# Altium PCB Bad-Fox Prototype.PcbDoc (part 6 of 6)
Units mm, origin at the board's own origin, x right, y up, seen from the top; angles counter-clockwise.
Board outline 285 x 218 mm, 4 copper layers (Top Layer, Layer 1, Layer 2, Bottom Layer), stack 1.583 mm thick; 201 components, 119 nets, 7816 pads, 1897 vias.
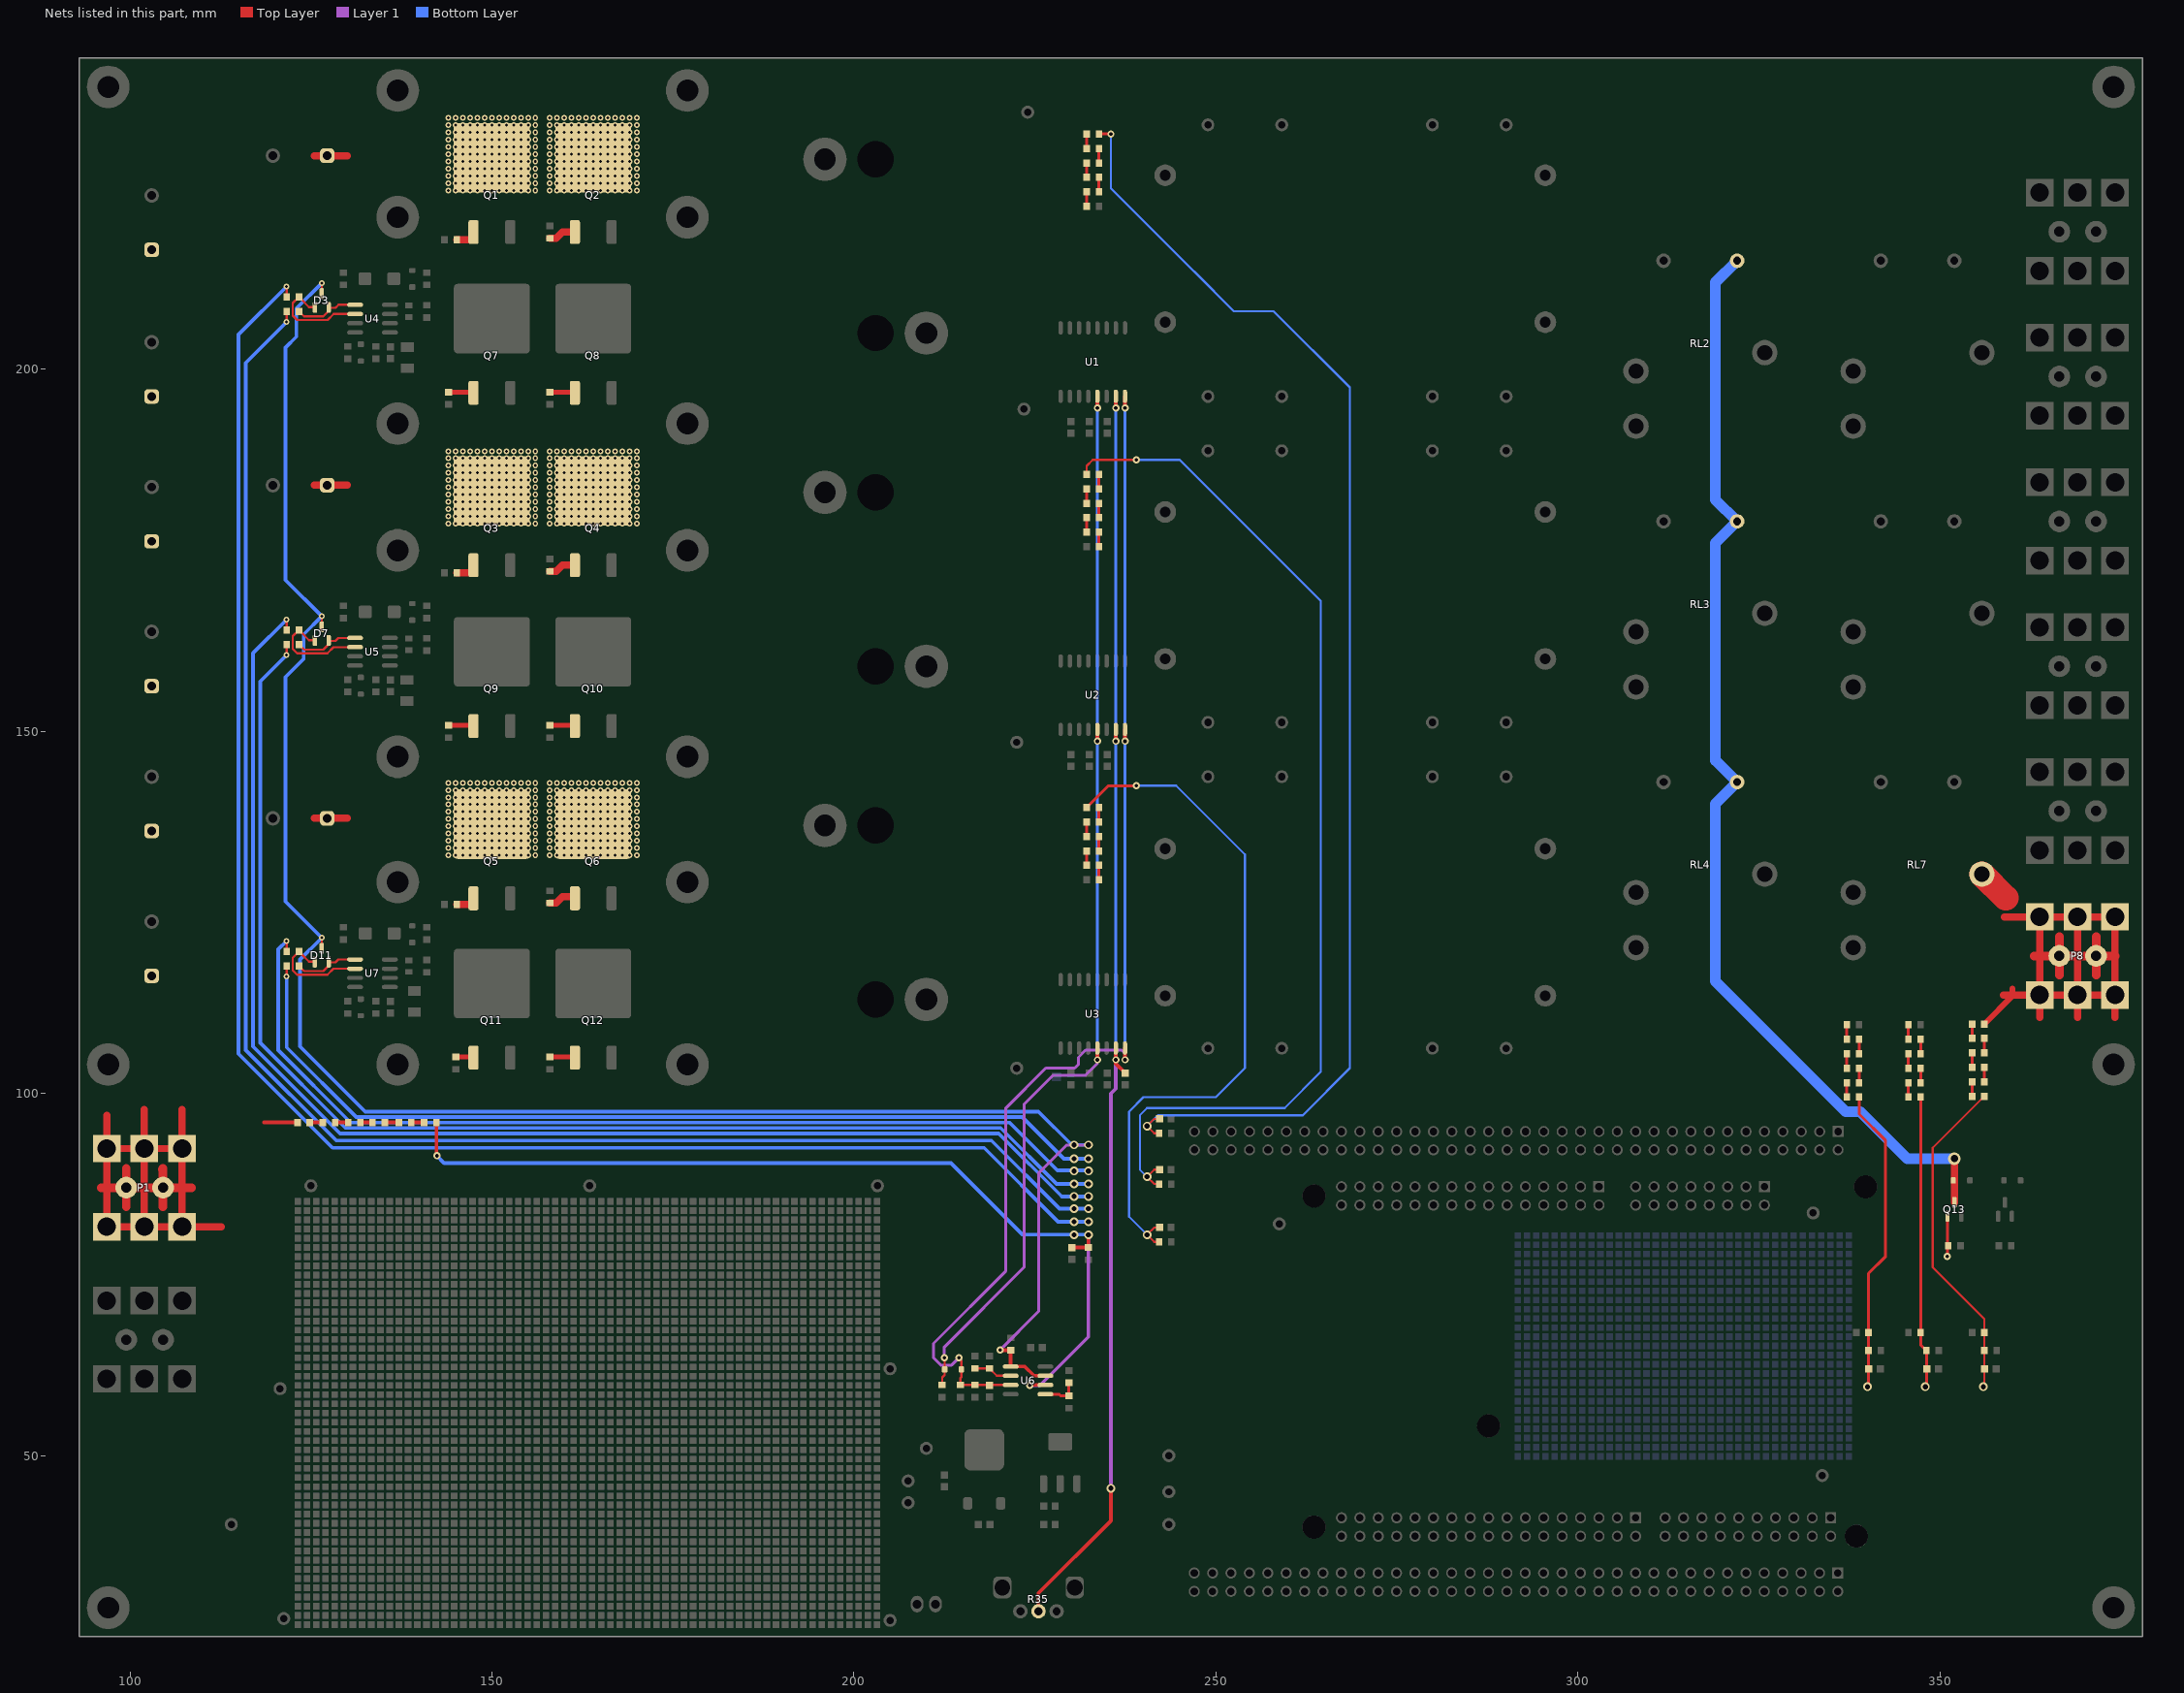
[diagram p8: the nets of this part, all layers, seen from the top]

## Via types
v1: diameter 0.8, hole 0.4, Top Layer to Bottom Layer, 1329 vias
v2: diameter 0.8, hole 0.4, Top Layer to Bottom Layer, tented both sides, 396 vias
v3: diameter 1.2, hole 0.7, Top Layer to Bottom Layer, 93 vias
v4: diameter 1, hole 0.5, Top Layer to Bottom Layer, 40 vias
v5: diameter 1.2, hole 0.7, Top Layer to Bottom Layer, tented both sides, 36 vias
v6: diameter 1.7, hole 1, Top Layer to Bottom Layer, 3 vias

## Nets (pads, with @x,y where several pads share a name; then routed paths per layer and width w, separated by ;. In a path a pad name is that pad's centre, name@x,y a point inside that pad or via, vN(x,y) a via of type N, cw(c..) or ccw(c..) an arc to the next point about the centre after c; other vN are vias at no path point) (continued)
NetP8_1: P8.1 P8.2 P8.3 P8.4 P8.5 P8.6 pad.@366.5,119 pad.@371.58,119 R70.2 RL7.1 | length 105.2
  Top Layer w0.8: R70.2@356.15,109.6 360,113.45 360,114.5
  Top Layer w1: 358.791,113.603 359.476,113.603 P8.4@363.793,113.603 ; 358.914,124.398 P8.3@363.793,124.398 ; 363.793,110.5 P8.4@363.793,113.603 ; 369,110.5 P8.5@369,113.603 ; 374.207,110.5 P8.6@374.207,113.603 ; P8.4@363.793,113.603 P8.3@363.793,124.398 ; P8.4@363.793,113.603 P8.5@369,113.603 ; P8.3@363.793,124.398 P8.2@369,124.398 ; P8.5@369,113.603 P8.2@369,124.398 ; P8.5@369,113.603 P8.6@374.207,113.603 ; P8.2@369,124.398 P8.1@374.207,124.398 P8.6@374.207,113.603
  Top Layer w1.2: 363.031,119 pad.@366.5,119 ; 366.5,116.373 pad.@366.5,119 ; 366.5,121.627 pad.@366.5,119 ; 371.58,116.373 pad.@371.58,119 ; 371.58,121.627 pad.@371.58,119 ; 374.207,119 pad.@371.58,119 ; pad.@366.5,119 369,119 pad.@371.58,119
  Top Layer w3.5: RL7.1@355.81,130.3 359.11,127
NetQ1_1: Q1.1 R1.1 | length 3.2
  Top Layer w1: R1.1@145.15,217.9 147.26,217.9 147.46,218.1 Q1.1@147.46,218.95
NetQ2_1: Q2.1 R2.1 | length 3.8
  Top Layer w1: R2.1@158,218.1 158.9,218.1 159.75,218.95 Q2.1@161.46,218.95
NetQ3_1: Q3.1 R3.1 | length 3.2
  Top Layer w1: R3.1@145.15,171.9 147.26,171.9 147.46,172.1 Q3.1@147.46,172.95
NetQ4_1: Q4.1 R4.1 | length 3.8
  Top Layer w1: R4.1@158,172.1 158.9,172.1 159.75,172.95 Q4.1@161.46,172.95
NetQ5_1: Q5.1 R5.1 | length 3.2
  Top Layer w1: R5.1@145.15,126.1 147.26,126.1 147.46,126.3 Q5.1@147.46,127.15
NetQ6_1: Q6.1 R6.1 | length 3.8
  Top Layer w1: R6.1@158,126.3 158.9,126.3 159.75,127.15 Q6.1@161.46,127.15
NetQ7_1: Q7.1 R8.1 | length 3.4
  Top Layer w0.7: R8.1@144,196.85 Q7.1@147.36,196.85
NetQ8_1: Q8.1 R9.1 | length 3.5
  Top Layer w0.7: R9.1@158,196.85 161.36,196.85 Q8.1@161.46,196.75
NetQ9_1: Q9.1 R10.1 | length 3.4
  Top Layer w0.7: R10.1@144,150.85 Q9.1@147.36,150.85
NetQ10_1: Q10.1 R11.1 | length 3.5
  Top Layer w0.7: R11.1@158,150.85 161.36,150.85 Q10.1@161.46,150.75
NetQ11_1: Q11.1 R12.1 | length 2.4
  Top Layer w0.7: R12.1@145,105.05 Q11.1@147.36,105.05
NetQ12_1: Q12.1 R13.1 | length 3.5
  Top Layer w0.7: R13.1@158,105.05 161.36,105.05 Q12.1@161.46,104.95
NetR14_1: R14.1 R17.2 | length 2.1
  Top Layer w0.4: R17.2@232,224.5 232.15,224.35 R14.1@232.15,222.5
NetR15_1: R15.1 R18.2 | length 2
  Top Layer w0.4: R15.1@233.85,175.5 R18.2@233.85,177.5
NetR16_1: R16.1 R19.2 | length 2
  Top Layer w0.4: R16.1@233.85,129.5 R19.2@233.85,131.5
NetR17_1: R17.1 R23.2 | length 2.1
  Top Layer w0.4: R17.1@233.85,224.5 233.85,226.35 R23.2@234,226.5
NetR18_1: R18.1 R24.2 | length 2
  Top Layer w0.4: R18.1@232.15,177.5 R24.2@232.15,179.5
NetR19_1: R19.1 R25.2 | length 2
  Top Layer w0.4: R19.1@232.15,131.5 R25.2@232.15,133.5
NetR23_1: R23.1 R27.2 | length 2.1
  Top Layer w0.4: R23.1@232,226.5 232.15,226.65 R27.2@232.15,228.5
NetR24_1: R24.1 R28.2 | length 2
  Top Layer w0.4: R24.1@233.85,179.5 R28.2@233.85,181.5
NetR25_1: R25.1 R29.2 | length 2
  Top Layer w0.4: R25.1@233.85,133.5 R29.2@233.85,135.5
NetR27_1: R27.1 R31.2 | length 2
  Top Layer w0.4: R27.1@233.85,228.5 R31.2@233.85,230.5
NetR28_1: R28.1 R32.2 | length 2
  Top Layer w0.4: R28.1@232.15,181.5 R32.2@232.15,183.5
NetR29_1: R29.1 R33.2 | length 2
  Top Layer w0.4: R29.1@232.15,135.5 R33.2@232.15,137.5
NetR31_1: R31.1 R36.2 | length 2
  Top Layer w0.4: R31.1@232.15,230.5 R36.2@232.15,232.5
NetR32_1: R32.1 R37.2 | length 2
  Top Layer w0.4: R32.1@233.85,183.5 R37.2@233.85,185.5
NetR33_1: R33.1 R38.2 | length 2
  Top Layer w0.4: R33.1@233.85,137.5 R38.2@233.85,139.5
NetR51_1: R51.1 R55.2 U6.2 | length 5.4
  Top Layer w0.3: R51.1@216.7,62.05 R55.2@218.7,62.05 219.728,61.022 U6.2@221.656,61.022
NetR62_1: R62.1 R63.2 | length 1.8
  Top Layer w0.5: R62.1@124.85,96 R63.2@126.65,96
NetR63_1: R63.1 R65.2 | length 1.8
  Top Layer w0.5: R63.1@128.35,96 R65.2@130.15,96
NetR64_1: R64.1 R67.2 U6.5 | length 5.1
  Top Layer w0.4: U6.5@226.456,58.482 228.318,58.482 228.55,58.25 R67.2@229.7,58.25 R64.1@229.7,60.05
NetR65_1: R65.1 R66.2 | length 1.8
  Top Layer w0.5: R65.1@131.7,96 R66.2@133.5,96
NetR66_1: R66.1 R71.2 | length 1.8
  Top Layer w0.5: R66.1@135.35,96 R71.2@137.15,96
NetR68_1: R68.1 R72.2 | length 1.9
  Top Layer w0.4: R72.2@337.15,107.65 R68.1@337.15,109.5
NetR69_1: R69.1 R73.2 | length 1.9
  Top Layer w0.4: R73.2@345.65,107.65 R69.1@345.65,109.5
NetR70_1: R70.1 R74.2 | length 1.9
  Top Layer w0.4: R74.2@354.45,107.75 R70.1@354.45,109.6
NetR71_1: R71.1 R77.2 | length 1.8
  Top Layer w0.5: R71.1@138.85,96 R77.2@140.65,96
NetR72_1: R72.1 R78.2 | length 1.8
  Top Layer w0.4: R78.2@338.85,105.65 R72.1@338.85,107.5
NetR73_1: R73.1 R79.2 | length 1.8
  Top Layer w0.4: R79.2@347.35,105.65 R73.1@347.35,107.5
NetR74_1: R74.1 R80.2 | length 1.8
  Top Layer w0.4: R80.2@356.15,105.75 R74.1@356.15,107.6
NetR78_1: R78.1 R81.2 | length 1.9
  Top Layer w0.4: R81.2@337.15,103.5 R78.1@337.15,105.35
NetR79_1: R79.1 R82.2 | length 1.9
  Top Layer w0.4: R82.2@345.65,103.5 R79.1@345.65,105.35
NetR80_1: R80.1 R83.2 | length 1.9
  Top Layer w0.4: R83.2@354.45,103.6 R80.1@354.45,105.45
NetR81_1: R81.1 R85.2 | length 2
  Top Layer w0.4: R85.2@338.85,101.5 R81.1@338.85,103.5
NetR82_1: R82.1 R86.2 | length 2
  Top Layer w0.4: R86.2@347.35,101.5 R82.1@347.35,103.5
NetR83_1: R83.1 R87.2 | length 2
  Top Layer w0.4: R87.2@356.15,101.6 R83.1@356.15,103.6
NetR85_1: R85.1 R88.2 | length 2
  Top Layer w0.4: R88.2@337.15,99.5 R85.1@337.15,101.5
NetR86_1: R86.1 R89.2 | length 2
  Top Layer w0.4: R89.2@345.65,99.5 R86.1@345.65,101.5
NetR87_1: R87.1 R90.2 | length 2
  Top Layer w0.4: R90.2@354.45,99.6 R87.1@354.45,101.6
OCDext: D12.1 R48.1 U1.13 U2.13 U3.13 | length 151.3
  Top Layer w0.3: R48.1@212.2,59.75 212.2,60.8 212.55,61.15 D12.1@212.55,61.9 212.55,63.45 v4(212.5,63.5)
  Top Layer w0.5: v4(233.64,104.65) U3.13@233.64,106.27 ; v4(233.64,148.65) U2.13@233.64,150.27 ; v4(233.64,194.65) U1.13@233.64,196.27
  Layer 1 w0.4: v4(212.5,63.5) 212.5,65 223.5,76 223.5,98.5 227.5,102.5 232,102.5 233.64,104.14 v4(233.64,104.65)
  Bottom Layer w0.4: v4(233.64,104.65) v4(233.64,148.65) v4(233.64,194.65)
OCDint: C42.1 D12.2 R47.1 R59.1 U1.16 U2.16 U3.16 U6.3 | length 170.2
  Top Layer w0.3: v4(214.5,63.5) 214.85,63.15 D12.2@214.85,61.9 214.85,60.85 214.7,60.7 R47.1@214.7,59.75 R47.1@214.7,59.75 U6.3@221.656,59.752
  Top Layer w0.5: U3.16@237.445,106.275 237.45,106.27 v4(237.45,104.65) ; U2.16@237.445,150.275 237.45,150.27 v4(237.45,148.65) ; U1.16@237.445,196.275 237.45,196.27 v4(237.45,194.65)
  Layer 1 w0.4: v4(214.5,63.5) 213.5,62.5 212,62.5 211,63.5 211,65.5 221,75.5 221,98 226.5,103.5 230.5,103.5 231,104 231,105 232,106 237,106 237.45,105.55 v4(237.45,104.65)
  Bottom Layer w0.4: v4(237.45,104.65) v4(237.45,148.65) v4(237.45,194.65)
OP_Relay_Ctl: Q13.1 R75.2 | length 5.6
  Top Layer w0.4: v4(351,77.5) 351.05,77.55 Q13.1@351.05,83.05
OP_Relay_Drive: D14.2 Q13.3 RL2.4 RL3.4 RL4.4 | length 154.9
  Top Layer w1: Q13.3@352,84.95 v6(352,91)
  Bottom Layer w1.5: RL2.4@322,215 319,212 319,182 RL3.4@322,179 319,176 319,146 RL4.4@322,143 319,140 319,115.5 337,97.5 339,97.5 345.5,91 v6(352,91)
PWM_EN: D3.3 D7.3 D11.3 R58.1 U6.1 U6.7 | length 278
  Top Layer w0.3: D11.3@126.5,120.05 v1(126.5,121.5) ; D7.3@126.5,164.45 v1(126.5,165.9) ; D3.3@126.5,210.45 v1(126.5,211.9)
  Top Layer w0.5: v4(220.2,64.6) 220.25,64.55 R58.1@221.7,64.55 221.656,64.506 U6.1@221.656,62.292 223.608,62.292 224.878,61.022 U6.7@226.456,61.022
  Layer 1 w0.4: v4(220.2,64.6) 225.5,69.9 225.5,89 229.4,92.9 v3(232.4,92.9)
  Bottom Layer w0.5: v1(126.5,211.9) 123,208.4 123,204.5 121.5,203 121.5,170.9 v1(126.5,165.9) 124,163.4 124,160 121.5,157.5 121.5,126.5 v1(126.5,121.5) 123.5,118.5 123.5,106.5 132.5,97.5 225.5,97.5 230.1,92.9 v3(232.4,92.9)
  other v3: 230.4,92.9
U_DRV_EN_H: D3.2 R21.2 U4.1 | length 9.1
  Top Layer w0.3: R21.2@123.35,208 123.35,207.95 123.65,207.65 123.7,207.65 124.05,207.3 126.7,207.3 127.3,207.9 127.3,208.4 D3.2@127.45,208.55 127.5,208.5 128.4,208.5 128.805,208.905 U4.1@131.116,208.905
U_DRV_H: R21.1 | length 229.8
  Top Layer w0.3: v1(121.65,206.55) R21.1@121.65,208
  Bottom Layer w0.5: v1(121.65,206.55) 116,200.9 116,106 128.5,93.5 219,93.5 228.4,84.1 v3(230.4,84.1) v3(232.4,84.1)
U_DRV_L: R22.1 | length 237.2
  Top Layer w0.3: R22.1@121.65,210 v1(121.65,211.45)
  Bottom Layer w0.5: v1(121.65,211.45) 115,204.8 115,105.5 128,92.5 218,92.5 228.2,82.3 v3(230.4,82.3) v3(232.4,82.3)
U_DRVE_EN_L: D3.1 R22.2 U4.2 | length 15
  Top Layer w0.3: R22.2@123.35,210.05 R22.2@123.35,210 ; D3.1@125.55,208.55 125.5,208.6 124.75,208.6 123.7,209.65 123.65,209.65 123.35,209.95 R22.2@123.35,210 ; U4.2@131.116,207.635 128.135,207.635 127.3,206.8 123.1,206.8 122.5,207.4 122.5,209.15 R22.2@123.35,210
V_DRV_EN_H: D7.2 R44.2 U5.1 | length 9.1
  Top Layer w0.3: R44.2@123.35,162 123.35,161.95 123.65,161.65 123.7,161.65 124.05,161.3 126.7,161.3 127.3,161.9 127.3,162.4 D7.2@127.45,162.55 D7.2@127.5,162.5 ; D7.2@127.484,162.5 128.384,162.5 128.789,162.905 U5.1@131.1,162.905
V_DRV_EN_L: D7.1 R45.2 U5.2 | length 15
  Top Layer w0.3: R45.2@123.334,164 122.484,163.15 122.484,161.4 123.084,160.8 127.284,160.8 128.119,161.635 U5.2@131.1,161.635 ; R45.2@123.35,164.05 123.35,163.95 123.65,163.65 123.7,163.65 124.75,162.6 125.5,162.6 D7.1@125.55,162.55
V_DRV_H: R44.1 | length 179
  Top Layer w0.3: v1(121.65,160.55) R44.1@121.65,162
  Bottom Layer w0.5: v1(121.65,160.55) 118,156.9 118,107 129.762,95.238 220.262,95.238 228,87.5 v3(232.4,87.5)
  other v3: 230.4,87.5
V_DRV_L: R45.1 | length 186.2
  Top Layer w0.3: R45.1@121.65,164 v1(121.65,165.45)
  Bottom Layer w0.5: v1(121.65,165.45) 117,160.8 117,106.5 129.016,94.484 220,94.484 ; 220.016,94.484 228.7,85.8 ; 228.7,85.784 v3@232.337,85.784
  other v3: 230.4,85.8 232.4,85.8
Vbus: C2.1 C3.1 C4.1 C5.1 C6.1 C7.1 C52.1 C53.1 C54.1 P1.1 P1.2 P1.3 P1.4 P1.5 P1.6 pad.@99.5,87 pad.@104.58,87 Q1.4 Q2.4 Q3.4 Q4.4 Q5.4 Q6.4 R62.2 | length 115.2
  Top Layer w0.5: 118.5,96 R62.2@123.15,96
  Top Layer w1: 96.793,97 P1.6@96.793,92.398 ; 102,97.795 P1.5@102,92.398 ; 107.207,97.795 P1.4@107.207,92.398 ; P1.3@107.216,81.565 112.613,81.565 ; 125.5,138 C6.1@127.25,138 130,138 ; 125.5,184 C4.1@127.25,184 130,184 ; 125.5,229.5 C2.1@127.25,229.5 130,229.5 ; P1.6@96.793,92.398 96.793,87 P1.1@96.793,81.603 P1.2@102,81.603 ; P1.6@96.793,92.398 P1.5@102,92.398 ; P1.2@102,81.603 102,87 P1.5@102,92.398 ; P1.2@102,81.603 P1.3@107.207,81.603 107.207,87 P1.4@107.207,92.398 ; P1.5@102,92.398 P1.4@107.207,92.398
  Top Layer w1.2: 96.031,87 96.793,87 pad.@99.5,87 ; 99.5,84.373 pad.@99.5,87 ; 99.5,89.627 pad.@99.5,87 ; 104.5,89.5 104.58,89.42 ; 104.58,84.373 pad.@104.58,87 ; 104.58,89.627 104.58,89.42 ; 108.5,87 107.207,87 pad.@104.58,87 ; pad.@99.5,87 102,87 pad.@104.58,87 ; pad.@104.58,87 104.58,89.42
  other v1: 145,132.9 146,132.9 147,132.9 148,132.9 149,132.9 150,132.9 151,132.9 152,132.9 153,132.9 154,132.9 155,132.9 159,132.9 160,132.9 161,132.9 162,132.9 163,132.9 164,132.9 165,132.9 166,132.9 167,132.9 168,132.9 169,132.9 145,133.9 146,133.9 147,133.9 148,133.9 149,133.9 150,133.9 151,133.9 152,133.9 153,133.9 154,133.9 155,133.9 159,133.9 160,133.9 161,133.9 162,133.9 163,133.9 164,133.9 165,133.9 166,133.9 167,133.9 168,133.9 169,133.9 145,134.9 146,134.9 147,134.9 148,134.9 149,134.9 150,134.9 151,134.9 152,134.9 153,134.9 154,134.9 155,134.9 159,134.9 160,134.9 161,134.9 162,134.9 163,134.9 164,134.9 165,134.9 166,134.9 167,134.9 168,134.9 169,134.9 145,135.9 146,135.9 147,135.9 148,135.9 149,135.9 150,135.9 151,135.9 152,135.9 153,135.9 154,135.9 155,135.9 159,135.9 160,135.9 161,135.9 162,135.9 163,135.9 164,135.9 165,135.9 166,135.9 167,135.9 168,135.9 169,135.9 145,136.9 146,136.9 147,136.9 148,136.9 149,136.9 150,136.9 151,136.9 152,136.9 153,136.9 154,136.9 155,136.9 159,136.9 160,136.9 161,136.9 162,136.9 163,136.9 164,136.9 165,136.9 166,136.9 167,136.9 168,136.9 169,136.9 145,137.9 146,137.9 147,137.9 148,137.9 149,137.9 150,137.9 151,137.9 152,137.9 153,137.9 154,137.9 155,137.9 159,137.9 160,137.9 161,137.9 162,137.9 163,137.9 164,137.9 165,137.9 166,137.9 167,137.9 168,137.9 169,137.9 145,138.9 146,138.9 147,138.9 148,138.9 149,138.9 150,138.9 151,138.9 152,138.9 153,138.9 154,138.9 155,138.9 159,138.9 160,138.9 161,138.9 162,138.9 163,138.9 164,138.9 165,138.9 166,138.9 167,138.9 168,138.9 169,138.9 145,139.9 146,139.9 147,139.9 148,139.9 149,139.9 150,139.9 151,139.9 152,139.9 153,139.9 154,139.9 155,139.9 159,139.9 160,139.9 161,139.9 162,139.9 163,139.9 164,139.9 165,139.9 166,139.9 167,139.9 168,139.9 169,139.9 145,140.9 146,140.9 147,140.9 148,140.9 149,140.9 150,140.9 151,140.9 152,140.9 153,140.9 154,140.9 155,140.9 159,140.9 160,140.9 161,140.9 162,140.9 163,140.9 164,140.9 165,140.9 166,140.9 167,140.9 168,140.9 169,140.9 145,141.9 146,141.9 147,141.9 148,141.9 149,141.9 150,141.9 151,141.9 152,141.9 153,141.9 154,141.9 155,141.9 159,141.9 160,141.9 161,141.9 162,141.9 163,141.9 164,141.9 165,141.9 166,141.9 167,141.9 168,141.9 169,141.9 145,178.7 146,178.7 147,178.7 148,178.7 149,178.7 150,178.7 151,178.7 152,178.7 153,178.7 154,178.7 155,178.7 159,178.7 160,178.7 161,178.7 162,178.7 163,178.7 164,178.7 165,178.7 166,178.7 167,178.7 168,178.7 169,178.7 145,179.7 146,179.7 147,179.7 148,179.7 149,179.7 150,179.7 151,179.7 152,179.7 153,179.7 154,179.7 155,179.7 159,179.7 160,179.7 161,179.7 162,179.7 163,179.7 164,179.7 165,179.7 166,179.7 167,179.7 168,179.7 169,179.7 145,180.7 146,180.7 147,180.7 148,180.7 149,180.7 150,180.7 151,180.7 152,180.7 153,180.7 154,180.7 155,180.7 159,180.7 160,180.7 161,180.7 162,180.7 163,180.7 164,180.7 165,180.7 166,180.7 167,180.7 168,180.7 169,180.7 145,181.7 146,181.7 147,181.7 148,181.7 149,181.7 150,181.7 151,181.7 152,181.7 153,181.7 154,181.7 155,181.7 159,181.7 160,181.7 161,181.7 162,181.7 163,181.7 164,181.7 165,181.7 166,181.7 167,181.7 168,181.7 169,181.7 145,182.7 146,182.7 147,182.7 148,182.7 149,182.7 150,182.7 151,182.7 152,182.7 153,182.7 154,182.7 155,182.7 159,182.7 160,182.7 161,182.7 162,182.7 163,182.7 164,182.7 165,182.7 166,182.7 167,182.7 168,182.7 169,182.7 145,183.7 146,183.7 147,183.7 148,183.7 149,183.7 150,183.7 151,183.7 152,183.7 153,183.7 154,183.7 155,183.7 159,183.7 160,183.7 161,183.7 162,183.7 163,183.7 164,183.7 165,183.7 166,183.7 167,183.7 168,183.7 169,183.7 145,184.7 146,184.7 147,184.7 148,184.7 149,184.7 150,184.7 151,184.7 152,184.7 153,184.7 154,184.7 155,184.7 159,184.7 160,184.7 161,184.7 162,184.7 163,184.7 164,184.7 165,184.7 166,184.7 167,184.7 168,184.7 169,184.7 145,185.7 146,185.7 147,185.7 148,185.7 149,185.7 150,185.7 151,185.7 152,185.7 153,185.7 154,185.7 155,185.7 159,185.7 160,185.7 161,185.7 162,185.7 163,185.7 164,185.7 165,185.7 166,185.7 167,185.7 168,185.7 169,185.7 145,186.7 146,186.7 147,186.7 148,186.7 149,186.7 150,186.7 151,186.7 152,186.7 153,186.7 154,186.7 155,186.7 159,186.7 160,186.7 161,186.7 162,186.7 163,186.7 164,186.7 165,186.7 166,186.7 167,186.7 168,186.7 169,186.7 145,187.7 146,187.7 147,187.7 148,187.7 149,187.7 150,187.7 151,187.7 152,187.7 153,187.7 154,187.7 155,187.7 159,187.7 160,187.7 161,187.7 162,187.7 163,187.7 164,187.7 165,187.7 166,187.7 167,187.7 168,187.7 169,187.7 145,224.7 146,224.7 147,224.7 148,224.7 149,224.7 150,224.7 151,224.7 152,224.7 153,224.7 154,224.7 155,224.7 159,224.7 160,224.7 161,224.7 162,224.7 163,224.7 164,224.7 165,224.7 166,224.7 167,224.7 168,224.7 169,224.7 145,225.7 146,225.7 147,225.7 148,225.7 149,225.7 150,225.7 151,225.7 152,225.7 153,225.7 154,225.7 155,225.7 159,225.7 160,225.7 161,225.7 162,225.7 163,225.7 164,225.7 165,225.7 166,225.7 167,225.7 168,225.7 169,225.7 145,226.7 146,226.7 147,226.7 148,226.7 149,226.7 150,226.7 151,226.7 152,226.7 153,226.7 154,226.7 155,226.7 159,226.7 160,226.7 161,226.7 162,226.7 163,226.7 164,226.7 165,226.7 166,226.7 167,226.7 168,226.7 169,226.7 145,227.7 146,227.7 147,227.7 148,227.7 149,227.7 150,227.7 151,227.7 152,227.7 153,227.7 154,227.7 155,227.7 159,227.7 160,227.7 161,227.7 162,227.7 163,227.7 164,227.7 165,227.7 166,227.7 167,227.7 168,227.7 169,227.7 145,228.7 146,228.7 147,228.7 148,228.7 149,228.7 150,228.7 151,228.7 152,228.7 153,228.7 154,228.7 155,228.7 159,228.7 160,228.7 161,228.7 162,228.7 163,228.7 164,228.7 165,228.7 166,228.7 167,228.7 168,228.7 169,228.7 145,229.7 146,229.7 147,229.7 148,229.7 149,229.7 150,229.7 151,229.7 152,229.7 153,229.7 154,229.7 155,229.7 159,229.7 160,229.7 161,229.7 162,229.7 163,229.7 164,229.7 165,229.7 166,229.7 167,229.7 168,229.7 169,229.7 145,230.7 146,230.7 147,230.7 148,230.7 149,230.7 150,230.7 151,230.7 152,230.7 153,230.7 154,230.7 155,230.7 159,230.7 160,230.7 161,230.7 162,230.7 163,230.7 164,230.7 165,230.7 166,230.7 167,230.7 168,230.7 169,230.7 145,231.7 146,231.7 147,231.7 148,231.7 149,231.7 150,231.7 151,231.7 152,231.7 153,231.7 154,231.7 155,231.7 159,231.7 160,231.7 161,231.7 162,231.7 163,231.7 164,231.7 165,231.7 166,231.7 167,231.7 168,231.7 169,231.7 145,232.7 146,232.7 147,232.7 148,232.7 149,232.7 150,232.7 151,232.7 152,232.7 153,232.7 154,232.7 155,232.7 159,232.7 160,232.7 161,232.7 162,232.7 163,232.7 164,232.7 165,232.7 166,232.7 167,232.7 168,232.7 169,232.7 145,233.7 146,233.7 147,233.7 148,233.7 149,233.7 150,233.7 151,233.7 152,233.7 153,233.7 154,233.7 155,233.7 159,233.7 160,233.7 161,233.7 162,233.7 163,233.7 164,233.7 165,233.7 166,233.7 167,233.7 168,233.7 169,233.7
  other v2: 144,132.9 156,132.9 158,132.9 170,132.9 144,133.9 156,133.9 158,133.9 170,133.9 144,134.9 156,134.9 158,134.9 170,134.9 144,135.9 156,135.9 158,135.9 170,135.9 144,136.9 156,136.9 158,136.9 170,136.9 144,137.9 156,137.9 158,137.9 170,137.9 144,138.9 156,138.9 158,138.9 170,138.9 144,139.9 156,139.9 158,139.9 170,139.9 144,140.9 156,140.9 158,140.9 170,140.9 144,141.9 156,141.9 158,141.9 170,141.9 144,142.9 145,142.9 146,142.9 147,142.9 148,142.9 149,142.9 150,142.9 151,142.9 152,142.9 153,142.9 154,142.9 155,142.9 156,142.9 158,142.9 159,142.9 160,142.9 161,142.9 162,142.9 163,142.9 164,142.9 165,142.9 166,142.9 167,142.9 168,142.9 169,142.9 170,142.9 144,178.7 156,178.7 158,178.7 170,178.7 144,179.7 156,179.7 158,179.7 170,179.7 144,180.7 156,180.7 158,180.7 170,180.7 144,181.7 156,181.7 158,181.7 170,181.7 144,182.7 156,182.7 158,182.7 170,182.7 144,183.7 156,183.7 158,183.7 170,183.7 144,184.7 156,184.7 158,184.7 170,184.7 144,185.7 156,185.7 158,185.7 170,185.7 144,186.7 156,186.7 158,186.7 170,186.7 144,187.7 156,187.7 158,187.7 170,187.7 144,188.7 145,188.7 146,188.7 147,188.7 148,188.7 149,188.7 150,188.7 151,188.7 152,188.7 153,188.7 154,188.7 155,188.7 156,188.7 158,188.7 159,188.7 160,188.7 161,188.7 162,188.7 163,188.7 164,188.7 165,188.7 166,188.7 167,188.7 168,188.7 169,188.7 170,188.7 144,224.7 156,224.7 158,224.7 170,224.7 144,225.7 156,225.7 158,225.7 170,225.7 144,226.7 156,226.7 158,226.7 170,226.7 144,227.7 156,227.7 158,227.7 170,227.7 144,228.7 156,228.7 158,228.7 170,228.7 144,229.7 156,229.7 158,229.7 170,229.7 144,230.7 156,230.7 158,230.7 170,230.7 144,231.7 156,231.7 158,231.7 170,231.7 144,232.7 156,232.7 158,232.7 170,232.7 144,233.7 156,233.7 158,233.7 170,233.7 144,234.7 145,234.7 146,234.7 147,234.7 148,234.7 149,234.7 150,234.7 151,234.7 152,234.7 153,234.7 154,234.7 155,234.7 156,234.7 158,234.7 159,234.7 160,234.7 161,234.7 162,234.7 163,234.7 164,234.7 165,234.7 166,234.7 167,234.7 168,234.7 169,234.7 170,234.7
VOCext: C26.1 R35.2 U1.15 U2.15 U3.15 | length 177.8
  Top Layer w0.5: R35.2@225.5,28.5 225.5,31 235.5,41 v3(235.5,45.5) ; U3.15@236.18,106.27 v4(236.18,104.65) 236.18,104.12 C26.1@237.5,102.8 ; v4(236.18,148.65) U2.15@236.18,150.27 ; v4(236.18,194.65) U1.15@236.18,196.27
  Layer 1 w0.5: v3(235.5,45.5) 235.5,100 236.18,100.68 v4(236.18,104.65)
  Bottom Layer w0.4: v4(236.18,104.65) v4(236.18,148.65) v4(236.18,194.65)
Vsense_Bus: C43.1 R77.1 R84.2 U6.6 | length 130.4
  Top Layer w0.5: R77.1@142.35,96 142.35,91.45 v4(142.4,91.4) ; v4(224.3,59.7) 224.352,59.752 U6.6@226.456,59.752 ; C43.1@230.1,78.7 230.15,78.75 R84.2@232.4,78.75 v3(232.4,80.5)
  Layer 1 w0.5: v4(224.3,59.7) 225.7,59.7 232.4,66.4 v3(232.4,80.5)
  Bottom Layer w0.5: v4(142.4,91.4) 143.4,90.4 213.4,90.4 223.3,80.5 v3(232.4,80.5)
  other v3: 230.4,80.5
Vsense_In_U: C45.1 R88.1 R91.2 R94.1 | length 42.5
  Top Layer w0.4: R88.1@338.85,99.5 338.85,97.15 342.5,93.5 342.5,77.5 340.15,75.15 R94.1@340.15,67 R91.2@340.15,64.5 340.15,62 340.15,59.65 v3(340,59.5)
Vsense_In_V: C46.1 R89.1 R92.2 R95.1 | length 40.4
  Top Layer w0.4: R89.1@347.35,99.5 R95.1@347.35,67 347.35,65.3 R92.2@348.15,64.5 348.15,62 348.15,59.65 v3(348,59.5)
Vsense_In_W: C47.1 R90.1 R93.2 R96.1 | length 46.1
  Top Layer w0.3: v3(356,59.5) 356.15,59.65 R93.2@356.15,64.5 356.15,68.85 349,76 349,92.5 356.1,99.6 R90.1@356.15,99.6
Vsense_U: C30.1 R36.1 R40.2 | length 190.8
  Top Layer w0.3: R40.2@242.15,94.5 241.5,94.5 v3(240.5,95.5) 241.5,96.5 C30.1@242.2,96.5
  Top Layer w0.4: R36.1@233.85,232.5 v4(235.5,232.5)
  Bottom Layer w0.3: v4(235.5,232.5) 235.5,225 252.5,208 ; v3(240.5,95.5) 242,97 262,97 268.5,103.5 268.5,197.5 258,208 252.5,208 ; 247,213.5 252.5,208
Vsense_V: C31.1 R37.1 R41.2 | length 147.5
  Top Layer w0.3: R37.1@232.15,185.5 232.15,186.65 233,187.5 v4(239,187.5) ; R41.2@242.15,87.5 241.5,87.5 v3(240.5,88.5) 241.5,89.5 C31.1@242.2,89.5
  Bottom Layer w0.3: v4(239,187.5) 245,187.5 264.5,168 264.5,103 259.5,98 240.5,98 239.5,97 239.5,89.5 v3(240.5,88.5)
Vsense_W: C32.1 R38.1 R42.2 | length 97.2
  Top Layer w0.3: R42.2@242.15,79.5 241.5,79.5 v3(240.5,80.5) 241.5,81.5 C32.1@242.2,81.5
  Top Layer w0.4: R38.1@232.15,139.5 235.15,142.5 v4(239,142.5)
  Bottom Layer w0.3: v4(239,142.5) 244.5,142.5 254,133 254,103.5 250,99.5 240,99.5 238,97.5 238,83 v3(240.5,80.5)
W_DRV_EN_H: D11.2 R54.2 U7.1 | length 9.1
  Top Layer w0.3: R54.2@123.35,117.6 123.35,117.55 123.65,117.25 123.7,117.25 124.05,116.9 126.7,116.9 127.3,117.5 127.3,118 D11.2@127.45,118.15 D11.2@127.5,118.1 ; D11.2@127.484,118.1 128.384,118.1 128.789,118.505 U7.1@131.1,118.505
W_DRV_EN_L: D11.1 R56.2 U7.2 | length 15
  Top Layer w0.3: R56.2@123.334,119.6 122.484,118.75 122.484,117 123.084,116.4 127.284,116.4 128.119,117.235 U7.2@131.1,117.235 ; R56.2@123.35,119.65 123.35,119.55 123.65,119.25 123.7,119.25 124.75,118.2 125.5,118.2 D11.1@125.55,118.15
W_DRV_H: R54.1 | length 128.4
  Top Layer w0.3: v1(121.65,116.15) R54.1@121.65,117.6
  Bottom Layer w0.5: v1(121.65,116.15) 121.65,106.35 131.254,96.746 223.254,96.746 229,91 v3(232.4,91)
  other v3: 230.4,91
W_DRV_L: R56.1 | length 135.9
  Top Layer w0.3: R56.1@121.65,119.6 v1(121.65,121.05)
  Bottom Layer w0.5: v1(121.65,121.05) 120.5,119.9 120.5,106 130.508,95.992 221.508,95.992 228.1,89.4 232.4,89.4 v3(232.4,89.3)
  other v3: 230.4,89.3
pads on no net: L1. L2. L3. R35. RL2.3 RL3.3 RL4.3 RL5.3 RL6.3 RL7.3 U1.11 U2.11 U3.11 U8. U8.CN7_1 U8.CN7_2 U8.CN7_3 U8.CN7_4 U8.CN7_5 U8.CN7_6 U8.CN7_7 U8.CN7_8 U8.CN7_9 U8.CN7_10 U8.CN7_11 U8.CN7_12 U8.CN7_13 U8.CN7_14 U8.CN7_15 U8.CN7_16 U8.CN7_17 U8.CN7_18 U8.CN7_19 U8.CN7_20 U8.CN8_1 U8.CN8_2 U8.CN8_3 U8.CN8_4 U8.CN8_5 U8.CN8_6 U8.CN8_7 U8.CN8_8 U8.CN8_9 U8.CN8_10 U8.CN8_11 U8.CN8_12 U8.CN8_13 U8.CN8_14 U8.CN8_15 U8.CN8_16 U8.CN9_1 U8.CN9_2 U8.CN9_3 U8.CN9_4 U8.CN9_5 U8.CN9_6 U8.CN9_7 U8.CN9_8 U8.CN9_9 U8.CN9_10 U8.CN9_11 U8.CN9_12 U8.CN9_13 U8.CN9_14 U8.CN9_15 U8.CN9_16 U8.CN9_17 U8.CN9_18 U8.CN9_19 U8.CN9_20 U8.CN9_21 U8.CN9_22 U8.CN9_23 U8.CN9_24 U8.CN9_25 U8.CN9_26 U8.CN9_27 U8.CN9_28 U8.CN9_29 U8.CN9_30 U8.CN10_1 U8.CN10_2 U8.CN10_3 U8.CN10_4 U8.CN10_5 U8.CN10_6 U8.CN10_7 U8.CN10_8 U8.CN10_9 U8.CN10_10 U8.CN10_11 U8.CN10_12 U8.CN10_13 U8.CN10_14 U8.CN10_15 U8.CN10_16 U8.CN10_17 U8.CN10_18 U8.CN10_19 U8.CN10_20 U8.CN10_21 U8.CN10_22 U8.CN10_23 U8.CN10_24 U8.CN10_25 U8.CN10_26 U8.CN10_27 U8.CN10_28 U8.CN10_29 U8.CN10_30 U8.CN10_31 U8.CN10_32 U8.CN10_33 U8.CN10_34 U8.CN11_1 U8.CN11_2 U8.CN11_3 U8.CN11_4 U8.CN11_5 U8.CN11_6 U8.CN11_7 U8.CN11_8 U8.CN11_9 U8.CN11_10 U8.CN11_11 U8.CN11_12 U8.CN11_13 U8.CN11_14 U8.CN11_15 U8.CN11_16 U8.CN11_17 U8.CN11_18 U8.CN11_19 U8.CN11_20 U8.CN11_21 U8.CN11_22 U8.CN11_23 U8.CN11_24 U8.CN11_25 U8.CN11_26 U8.CN11_27 U8.CN11_28 U8.CN11_29 U8.CN11_30 U8.CN11_31 U8.CN11_32 U8.CN11_33 U8.CN11_34 U8.CN11_35 U8.CN11_36 U8.CN11_37 U8.CN11_38 U8.CN11_39 U8.CN11_40 U8.CN11_41 U8.CN11_42 U8.CN11_43 U8.CN11_44 U8.CN11_45 U8.CN11_46 U8.CN11_47 U8.CN11_48 U8.CN11_49 U8.CN11_50 U8.CN11_51 U8.CN11_52 U8.CN11_53 U8.CN11_54 U8.CN11_55 U8.CN11_56 U8.CN11_57 U8.CN11_58 U8.CN11_59 U8.CN11_60 U8.CN11_61 U8.CN11_62 U8.CN11_63 U8.CN11_64 U8.CN11_65 U8.CN11_66 U8.CN11_67 U8.CN11_68 U8.CN11_69 U8.CN11_70 U8.CN11_71 U8.CN11_72 U8.CN12_1 U8.CN12_2 U8.CN12_3 U8.CN12_4 U8.CN12_5 U8.CN12_6 U8.CN12_7 U8.CN12_8 U8.CN12_9 U8.CN12_10 U8.CN12_11 U8.CN12_12 U8.CN12_13 U8.CN12_14 U8.CN12_15 U8.CN12_16 U8.CN12_17 U8.CN12_18 U8.CN12_19 U8.CN12_20 U8.CN12_21 U8.CN12_22 U8.CN12_23 U8.CN12_24 U8.CN12_25 U8.CN12_26 U8.CN12_27 U8.CN12_28 U8.CN12_29 U8.CN12_30 U8.CN12_31 U8.CN12_32 U8.CN12_33 U8.CN12_34 U8.CN12_35 U8.CN12_36 U8.CN12_37 U8.CN12_38 U8.CN12_39 U8.CN12_40 U8.CN12_41 U8.CN12_42 U8.CN12_43 U8.CN12_44 U8.CN12_45 U8.CN12_46 U8.CN12_47 U8.CN12_48 U8.CN12_49 U8.CN12_50 U8.CN12_51 U8.CN12_52 U8.CN12_53 U8.CN12_54 U8.CN12_55 U8.CN12_56 U8.CN12_57 U8.CN12_58 U8.CN12_59 U8.CN12_60 U8.CN12_61 U8.CN12_62 U8.CN12_63 U8.CN12_64 U8.CN12_65 U8.CN12_66 U8.CN12_67 U8.CN12_68 U8.CN12_69 U8.CN12_70 U8.CN12_71 U8.CN12_72 U10.4
copper on no net:
  other v3: 205,38.5 205,40.5 205,42.5 205,44.5 120.5,45 120.5,47 120.5,49 120.5,51 205,53 205,55 205,57 205,59 205,70 120.5,71 205,72 120.5,73 205,74 120.5,75 205,76 120.5,77 205,78 205,80 205,82 205,84 132,87 134,87 136,87 138,87 150,87 152,87 154,87 156,87 170,87 172,87 174,87 176,87 191.5,87 193.5,87 195.5,87 197.5,87

## Polygon pours and split planes (outlines as drawn)
GND on Top Layer "GND_L01_P101" (solid, pour order 101): 139.4,199.1 139.4,202.3 133,202.3 133,199.1
GND on Top Layer "NoRelief" (solid, pour order 89): 168.1,106.6 165.1,106.6 165.1,103.3 168.1,103.3
GND on Top Layer "NoRelief" (solid, pour order 88): 154.1,106.6 151.1,106.6 151.1,103.3 154.1,103.3
GND on Top Layer "NoRelief" (solid, pour order 87): 168.1,198.4 165.1,198.4 165.1,195.1 168.1,195.1
GND on Top Layer "NoRelief" (solid, pour order 86): 154.1,198.4 151.1,198.4 151.1,195.1 154.1,195.1
Vbus on Top Layer "THRelief" (solid, pour order 85): 170.5,146.2 120.5,146.2 118,143.7 118,131.2 120.5,128.7 170,128.7 170.5,129.2
NetC39_2 on Top Layer "NoRelief" (solid, pour order 84): 143,110.5 144.163,109.337 188.437,109.337 199.5,120.4 199.5,136.7 197.399,138.801 192.601,138.801 176,122.2 171.3,122.2 167,126.5 166,126.5 161.7,122.2 157.3,122.2 153,126.5 152,126.5 147.7,122.2 143.5,122.2 143,121.7
Vbus on Top Layer "THRelief" (solid, pour order 83): 170.5,238 120.5,238 118,235.5 118,223 120.5,220.5 170,220.5 170.5,221
NetC20_2 on Top Layer "NoRelief" (solid, pour order 82): 143,201.9 143.763,201.137 186.137,201.137 198,213 198,230 197,231 194,231 177,214 171.5,214 167,218.5 166,218.5 161.5,214 157.5,214 153,218.5 152,218.5 147.5,214 143.5,214 143,213.5
GND on Top Layer "NoRelief" (solid, pour order 81): 168.1,152.4 165.1,152.4 165.1,149.1 168.1,149.1
Vbus on Top Layer "THRelief" (solid, pour order 80): 170.5,192 120.5,192 118,189.5 118,177 120.5,174.5 170,174.5 170.5,175
GND on Top Layer "NoRelief" (solid, pour order 79): 154.1,152.4 151.1,152.4 151.1,149.1 154.1,149.1
NetC33_2 on Top Layer "NoRelief" (solid, pour order 78): 143,155.9 143.763,155.137 188.437,155.137 199.5,166.2 199.5,182.5 197.399,184.601 192.601,184.601 176,168 171.5,168 167,172.5 166,172.5 161.5,168 157.5,168 153,172.5 152,172.5 147.5,168 143.5,168 143,167.5
GND on Top Layer "NONET_L01_P-001" (solid, pour order 104): 376.5,96 227,96 206,75 206,26 376.5,26
NetP7_1 on Top Layer "NONET_L01_P-001" (solid, pour order 72): 376.5,151.5 376.5,166.5 376,167 358,167 357,168 355,168 354,167 354,158 361.5,150.5 375.5,150.5
NetP2_1 on Top Layer "NONET_L01_P-001" (solid, pour order 77): 376.5,211.5 376.5,226.5 375.5,227.5 332.5,227.5 324,219 324,202 325.5,200.5 326.5,200.5 330.5,204.5 359,204.5 363,208.5 373.5,208.5
NetP4_1 on Top Layer "NONET_L01_P-001" (solid, pour order 76): 376.5,131.5 376.5,146.5 375.5,147.5 359.5,147.5 356,151 338,151 324,137 324,130.5 325,129.5 327.5,129.5 330.5,132.5 357,132.5 360,129.5 374.5,129.5
GND on Top Layer "GND_L01_P102" (solid, pour order 102): 139.2,153.5 139.2,156.6 132.3,156.6 132.3,153.5
NetL3_2 on Top Layer "NoRelief" (solid, pour order 99): 210.5,110 218,110 219,111 232,111 232.7,111.7 232.7,121.3 229.5,124.5 217,124.5 208,115.5 208,112.5
NetL2_2 on Top Layer "NoRelief" (solid, pour order 98): 210.5,156 218,156 219,157 232,157 232.7,157.7 232.7,167.3 229.5,170.5 217,170.5 208,161.5 208,158.5
NetC16_1 on Top Layer "THRelief" (solid, pour order 96): 233.5,113.5 233.5,122.5 239.5,128.5 239.5,133.5 241.942,135.942 246.058,135.942 250,132 338.7,132 342,128.7 342,123.3 319.7,101 246,101
NetP3_1 on Top Layer "NONET_L01_P-001" (solid, pour order 75): 376.5,171.5 376.5,186.5 375.5,187.5 337.5,187.5 324,174 324,166.5 325.5,165.5 327.5,165.5 331,169 349.5,169 350,169.5 374.5,169.5
Vbus on Top Layer "NONET_L01_P-001" (solid, pour order 93): 94,79.5 95,78.5 116.5,78.5 121,83 121,240.5 119.5,242 97,242 94,239
NetP6_1 on Top Layer "NONET_L01_P-001" (solid, pour order 73): 376.5,191.5 376.5,206.5 362,206.5 359.5,204 355,204 353.5,202.5 353.5,192.5 355.5,190.5 375.5,190.5
NetP8_1 on Top Layer "NONET_L01_P-001" (solid, pour order 74): 376.5,111 376.5,126.5 376,127 361.5,127 356.5,132 355.5,132 354,130.5 354,114.5 358.5,110 375.5,110
NetC10_1 on Top Layer "THRelief" (solid, pour order 95): 233.5,157.5 233.5,166.5 239.5,172.5 239.5,180 242,182.5 246,182.5 252.5,176 332.5,176 340,168.5 340,159 316.5,135.5 255.5,135.5
NetC8_1 on Top Layer "THRelief" (solid, pour order 94): 233.5,203.5 233.5,218.5 245.5,230.5 293,230.5 322,201.5 338,201.5 340,199.5 340,195 326.5,181.5 255.5,181.5
NetL1_2 on Top Layer "NoRelief" (solid, pour order 90): 210.5,202 218,202 219,203 232,203 232.7,203.7 232.7,213.3 229.5,216.5 217,216.5 208,207.5 208,204.5
GND on Bottom Layer "NONET_L01_P-001" (solid, pour order 111): 94,242.127 94,26.127 376.5,26.127 376.5,242.127
Vbus on Bottom Layer "NONET_L01_P-001" (solid, pour order 105): 143.5,223 170.5,223 171.5,224 171.5,235.5 170.5,236.5 143.5,236.5 142.5,235.5 142.5,224
Vbus on Bottom Layer "NONET_L01_P-001" (solid, pour order 106): 143.5,177 170.5,177 171.5,178 171.5,189.5 170.5,190.5 143.5,190.5 142.5,189.5 142.5,178
Vbus on Bottom Layer "NONET_L01_P-001" (solid, pour order 107): 143.5,131.2 170.5,131.2 171.5,132.2 171.5,143.7 170.5,144.7 143.5,144.7 142.5,143.7 142.5,132.2
NetC20_2 on Bottom Layer "NONET_L01_P-001" (solid, pour order 108): 143.5,200.8 170.5,200.8 171.5,201.8 171.5,213.3 170.5,214.3 143.5,214.3 142.5,213.3 142.5,201.8
NetC33_2 on Bottom Layer "NONET_L01_P-001" (solid, pour order 109): 143.5,154.8 170.5,154.8 171.5,155.8 171.5,167.3 170.5,168.3 143.5,168.3 142.5,167.3 142.5,155.8
NetC39_2 on Bottom Layer "NONET_L01_P-001" (solid, pour order 110): 143.5,109.2 170.5,109.2 171.5,110.2 171.5,121.7 170.5,122.7 143.5,122.7 142.5,121.7 142.5,110.2
GND_ISENSE on Bottom Layer "NoRelief" (solid, pour order 100): 229.5,102.9 229.5,195.6 229.1,196 226.9,196 226.5,195.6 226.5,103.1 227,102.6 229.2,102.6
no net on Bottom Solder "NONET_L01_P-001" (solid): 143.5,109.2 170.5,109.2 171.5,110.2 171.5,121.7 170.5,122.7 143.5,122.7 142.5,121.7 142.5,110.2
no net on Bottom Solder "NONET_L01_P-001" (solid): 143.5,154.8 170.5,154.8 171.5,155.8 171.5,167.3 170.5,168.3 143.5,168.3 142.5,167.3 142.5,155.8
no net on Bottom Solder "NONET_L01_P-001" (solid): 143.5,200.8 170.5,200.8 171.5,201.8 171.5,213.3 170.5,214.3 143.5,214.3 142.5,213.3 142.5,201.8
no net on Bottom Solder "NONET_L01_P-001" (solid): 143.5,131.2 170.5,131.2 171.5,132.2 171.5,143.7 170.5,144.7 143.5,144.7 142.5,143.7 142.5,132.2
no net on Bottom Solder "NONET_L01_P-001" (solid): 143.5,177 170.5,177 171.5,178 171.5,189.5 170.5,190.5 143.5,190.5 142.5,189.5 142.5,178
no net on Bottom Solder "NONET_L01_P-001" (solid): 143.5,223 170.5,223 171.5,224 171.5,235.5 170.5,236.5 143.5,236.5 142.5,235.5 142.5,224
GND on Layer 2 "NONET_L01_P-001" (solid, pour order 97): 94,242 94,26 376.5,26 376.5,242

## Silkscreen, mask and mechanical layers (free items; w line width, h text height)
Top Overlay:
  lines w0.2: 240.5,101.05 240.5,146.05 298,146.05 298,101.05 240.5,101.05 ; 240.5,147.55 240.5,192.55 298,192.55 298,147.55 240.5,147.55 ; 240.5,194.05 298,194.05 298,239.05 240.5,239.05 240.5,194.05
  text "Output_U" at 365.18,227.513 h1
  text "Input_U" at 365.93,207.263 h1
  text "Output_V" at 365.18,187.513 h1
  text "Input_V" at 365.93,167.263 h1
  text "Output_W" at 365.18,147.513 h1
  text "Input_W" at 365.93,127.263 h1
  text "ISense_Raw_W" at 217.18,98.097 h1
  text "BadFox Inverter-Charger Testbed" at 153.3,96.933 h1.6
  text "ISense_Raw_V" at 217.18,96.097 h1
  text "ISense_Raw_U" at 217.18,94.347 h1
  text "Rev 1 Sept 2021" at 153.3,93.533 h1.6
  text "PWM_EN" at 223.18,92.347 h1
  text "VSense_U" at 236.43,92.347 h1
  text "OP_Relay_Drv" at 338.68,90.763 h1
  text "W_DRV_H" at 222.18,90.597 h1
  text "IP_Relay_Drv" at 360.682,90.511 h1
  text "W_DRV_L" at 222.18,88.847 h1
  text "+   DC Bus    -" at 111.3,87.7 h1.6 r270
  text "V_DRV_H" at 222.18,87.097 h1
  text "V_DRV_L" at 222.18,85.347 h1
  text "VSense_V" at 236.43,85.347 h1
  text "U_DRV_H" at 222.18,83.597 h1
  text "U_DRV_L" at 222.18,81.847 h1
  text "VSense_bus" at 219.18,80.097 h1
  text "VSense_W" at 236.43,77.097 h1
  text "Vsense_In_U" at 339.597,58.07 h1 r270
  text "Vsense_In_V" at 347.597,58.07 h1 r270
  text "Vsense_In_W" at 355.597,58.07 h1 r270
  text "12V / - +" at 208.5,32.75 h1
  text "Overcurrent Trip Adjust" at 232.68,26.513 h1
Mechanical 1:
  the board outline again, w0.2

## Dimensions
378,243 to 378,25 on Mechanical 1